# Altium PCB Tag_connect_stm32.PcbDoc
Units mm, origin at the board's own origin, x right, y up, seen from the top; angles counter-clockwise.
Board outline 24.8 x 70.3 mm, 2 copper layers (Top Layer, Bottom Layer); 5 components, 7 nets, 33 pads, 40 vias.
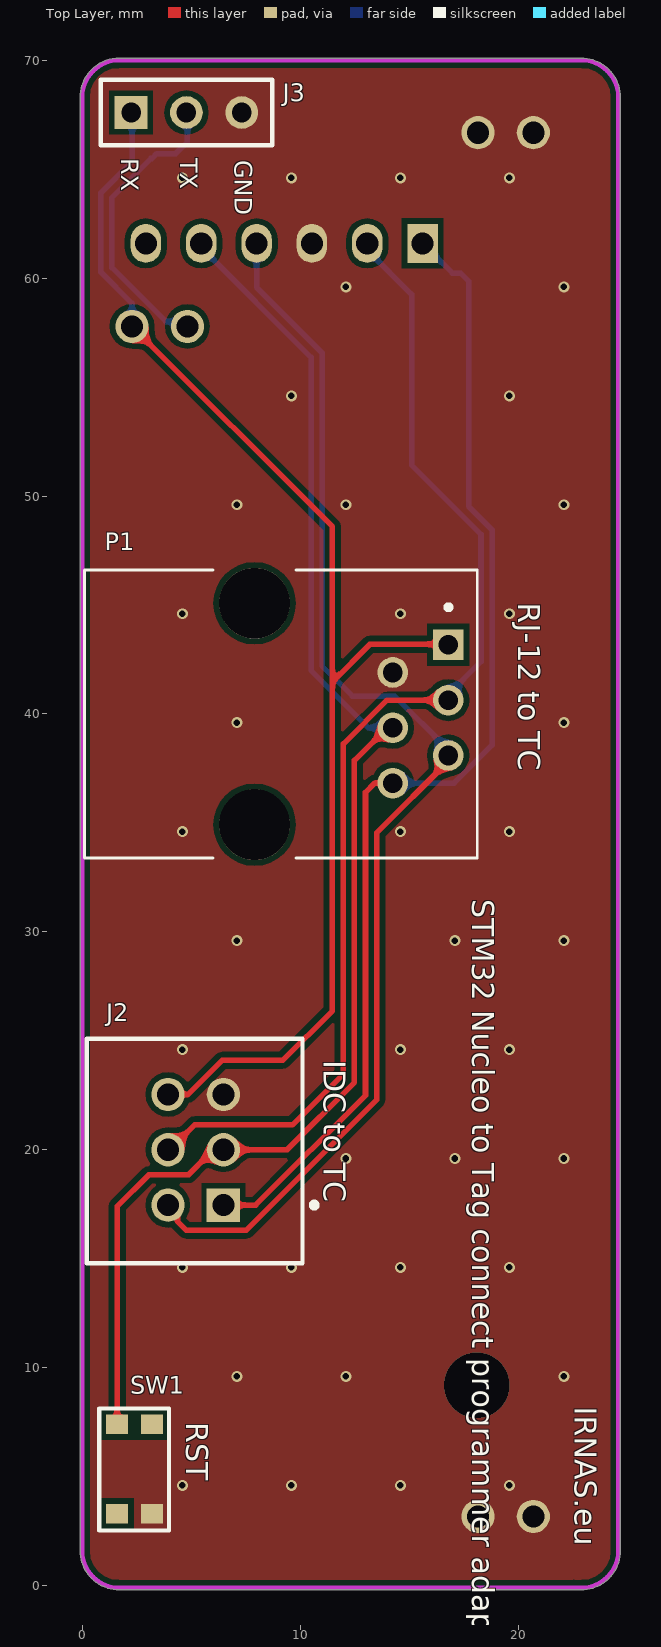
[diagram p0: Top Layer view]
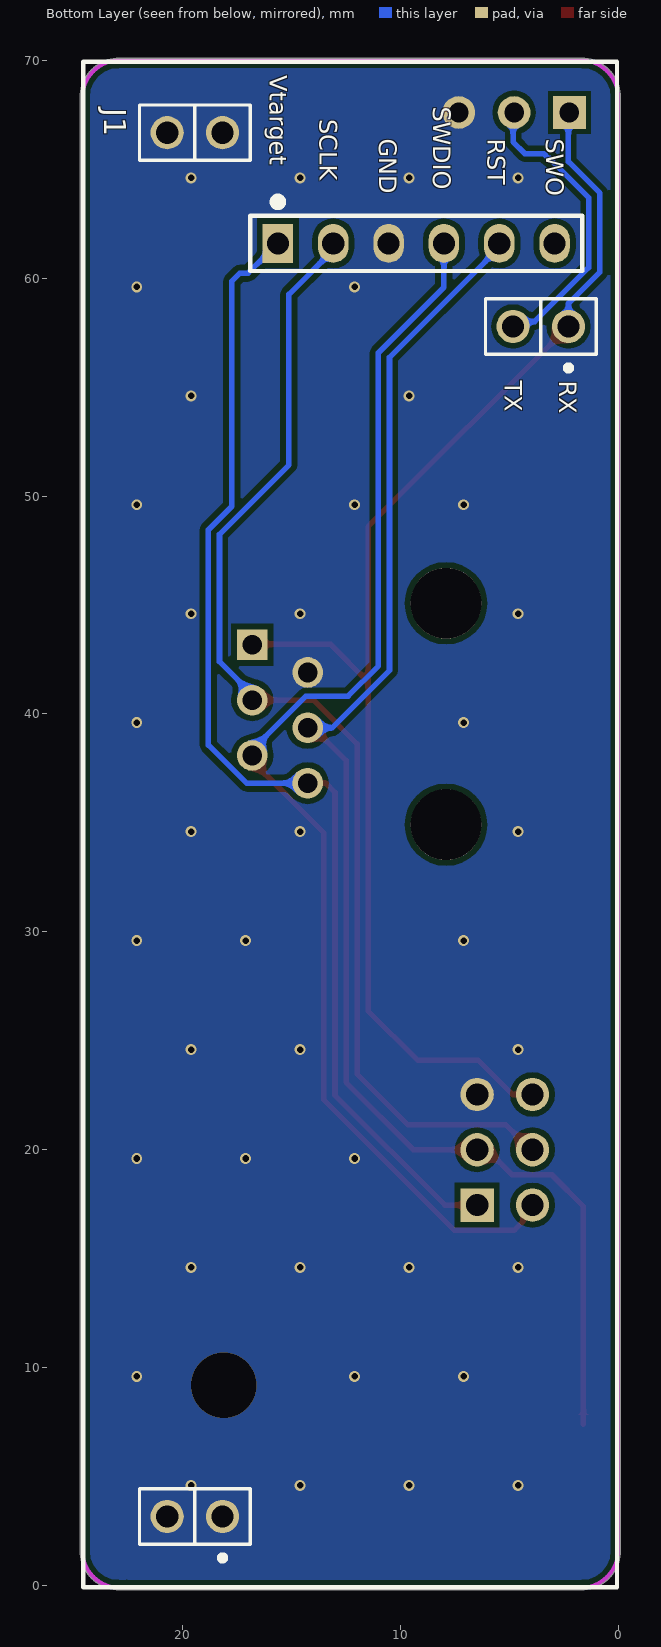
[diagram p1: Bottom Layer view, seen from below]

## Layer stack, top to bottom
Top Solder: solder mask 0.0102, Solder Resist, Dk 3.5
Top Layer: signal copper 0.0356
Dielectric 1: dielectric 0.32, FR-4, Dk 4.8
Bottom Layer: signal copper 0.0356
Bottom Solder: solder mask 0.0102, Solder Resist, Dk 3.5

## Board outline
0.429,0.329 cw(c1.707,1.607) -0.1,1.607 -0.1,68.293 cw(c1.707,68.293) 0.429,69.571 cw(c1.707,68.293) 1.706,70.1 cw(c1.707,70) 1.707,70.1 22.893,70.1 cw(c22.893,68.293) 24.171,69.571 cw(c22.893,68.293) 24.7,68.293 24.7,1.5 cw(c24.6,1.5) 24.695,1.468 cw(c22.893,1.607) 24.171,0.329 cw(c22.893,1.607) 22.893,-0.2 22.6,-0.2 1.707,-0.2 cw(c1.707,1.607)

## Design rules (kind name [scope] priority, off if disabled: settings)
Clearance [All] p1: gap=0.254 ignorepadtopadclearanceinfootprint=FALSE except(0: Arc-Hole Track-Hole SMDPad-Hole THPad-Hole Via-Hole Fill-Hole Poly-Hole Region-Hole Text-Hole)
PolygonConnect [All] p1: connectstyle=Direct reliefconductorwidth=0.254 reliefentries=4 polygonreliefangle="90 Angle" airgapwidth=0.254
RoutingVias [All] p1: holewidth=0.711 width=1.27 viastyle="Through Hole" minholewidth=0.711 minwidth=1.27 maxholewidth=0.711 maxwidth=1.27
SolderMaskExpansion [All] p1: expansion=0.102
Width [All] p1: maxlimit=0.254 minlimit=0.254 preferedwidth=0.254
30 further rules are at their usual default settings.

## Components (designator, comment, footprint, x,y, rotation, side; value= is the part's Value field where it differs from the comment)
J1 "STM Nucleo" "NUCLEO F4 HEADERS" 20.701,3.175 r90 bottom locked
J2 "IDC 6 pin" "IDC 6 pin" 5.207,20 r90 top locked
J3 "Jumper" JUMPER 2.242,67.6 r90 top
P1 "RJ12" RJ12 10.7,40 r270 top locked
SW1 "KMR211GLFS" Button 1.6,7.4 r270 top

## Footprints (in the part's own frame and the unit in brackets; to place one, negate y for a bottom-side part, rotate by r counter-clockwise, add the part's x,y. Pads: shape width x height; smd on the part's side, far side on the other; paste and mask are expansions set on the pad)
Button [mm]
  rect 0.9x1 smd: 1(0,0) 2(4.1,0) 3(4.1,1.6) 4(0,1.6)
  silkscreen extent -0.73,-0.82 4.87,2.38, body extent -0.25,-0.71 4.35,2.29, height 2.1
"IDC 6 pin" [mm]
  rect 1.53x1.53 hole 1.02: 1(-2.54,-1.27)
  round 1.53 hole 1.02: 2(-2.54,1.27) 3(0,-1.27) 4(0,1.27) 5(2.54,-1.27) 6(2.54,1.27)
  silkscreen extent -5.2,-5.54 5.1,5, body extent -5.03,-4.88 4.94,4.87, height 10.95
JUMPER [mm]
  rect 1.5x1.5 hole 0.9: 1(0,0)
  round 1.5 hole 0.9: 2(0,-2.54) 3(0,-5.08)
  silkscreen extent -1.5,-6.48 1.5,1.4, body extent -1.42,-6.35 1.5,1.27, height 8.51
"NUCLEO F4 HEADERS" [mil]
  round 60 hole 40: 1(0,0) 2(0,-100) 3(2150,-625) 4(2150,-725) 11(2500,0) 12(2500,-100)
  rect 70x55 hole 40: 5(2300,-200)
  oval 70x55 hole 40: 6(2300,-300) 7(2300,-400) 8(2300,-500) 9(2300,-600) 10(2300,-700)
  silkscreen extent -128,-813 2628,152, body extent -126,-819 2630,203, height 404
RJ12 [mm]
  rect 1.408x1.408 hole 0.9: 1(-3.175,6.096)
  round 1.408 hole 0.9: 2(-1.905,3.556) 3(-0.635,6.096) 4(0.635,3.556) 5(1.905,6.096) 6(3.175,3.556)
  round 3.25 hole 3.25 unplated: None(-5.08,-2.794) None(5.08,-2.794)
  silkscreen extent -6.61,-10.59 6.61,7.43, body extent -6.61,-10.57 6.6,7.53, height 11.75

## Part data
J2: library part 90130-1206, "Headers & Wire Housings 2.54MM CGRIDIII HDR 6P V DR SHRD AU-E", Color=Black, Contact Resistance=20mR, Current Rating=3A, Insulation Resistance=5GR, Manufacturer=Molex, Max Current Rating=3.9A, Max Operating Temperature=125°C, Max Voltage Rating (AC)=500V, Max Voltage Rating (DC)=350.35kV, Min Operating Temperature=-55°C, Package Quantity=2560, Supplier Part Number 1=9733884, Voltage Rating=350V, ComponentLink1Description=http://www.mouser.com/ds/2/276/0901301206_PCB_HEADERS-151694.pdf?src-supplier=Mouser, ComponentLink1URL=http://www.mouser.com/ds/2/276/0901301206_PCB_HEADERS-151694.pdf?src-supplier=Mouser, ComponentLink2Description=http://www.jameco.com/Jameco/Products/ProdDS/1978810.pdf?src-supplier=Jameco, ComponentLink2URL=http://www.jameco.com/Jameco/Products/ProdDS/1978810.pdf?src-supplier=Jameco, ComponentLink3Description=http://www.molex.com/webdocs/datasheets/pdf/en-us/0901301206_PCB_HEADERS.pdf?src-supplier=Avnet+Europe, ComponentLink3URL=http://www.molex.com/webdocs/datasheets/pdf/en-us/0901301206_PCB_HEADERS.pdf?src-supplier=Avnet+Europe, ComponentLink4Description=http://www.molex.com/webdocs/datasheets/pdf/en-us/0901301206_PCB_HEADERS.pdf?src-supplier=Avnet, ComponentLink4URL=http://www.molex.com/webdocs/datasheets/pdf/en-us/0901301206_PCB_HEADERS.pdf?src-supplier=Avnet, ComponentLink5Description=http://uk.rs-online.com/webdocs/13c4/0900766b813c4c7b.pdf?src-supplier=RSComponents, ComponentLink5URL=http://uk.rs-online.com/webdocs/13c4/0900766b813c4c7b.pdf?src-supplier=RSComponents, Contact Gender=Male, Contact Material=Brass,Bronze,Copper, Contact Plating=Gold, Depth=3.94mm, Gender=Male, Glow Wire Compliant=Non-compliant, Height=4.7mm, Housing Color=Black, Housing Material=Polyester, Lead Free="Lead Free", Lead Pitch=2.54mm, Length=8mm, Manufacturer Part Number=90130-1206, Material=Glass,Polyester, Mount="Through Hole", Number of Circuits=6, Number of Contacts=6, Number of Poles=6, Number of Positions=6, Number of Rows=2, Orientation=Vertical, Packaging=Tray, Pitch=2.54mm, Pricing 1="1=1.07, 50=1, 100=0.934, 250=0.84, 500=0.775, 1000=0.619 (EUR)", Radiation Hardening=No, REACH SVHC=Unknown, Row Spacing=2.54mm, Stock 1=1896, Supplier 1=Farnell, Termination=Solder, Voltage Rating (AC)=350V, Voltage Rating (DC)=350V, Working Voltage=350V
J3: "3 pin jumper"
P1: library part 95501-2661, "MODULAR, JACK, THT, R/A, RJ11, 6P6C", Color=Black, Current Rating=1.5A, Flammability Rating="UL94 V-0", Insulation Resistance=500MR, Manufacturer=Molex, Max Operating Temperature=80°C, Max Voltage Rating (DC)=125V, Min Operating Temperature=-40°C, Package Quantity=3276, Supplier Part Number 1=1536490, Approvals=UL, ComponentLink1Description=http://uk.rs-online.com/webdocs/13c4/0900766b813c4eac.pdf?src-supplier=RSComponents, ComponentLink1URL=http://uk.rs-online.com/webdocs/13c4/0900766b813c4eac.pdf?src-supplier=RSComponents, ComponentLink2Description=http://www.farnell.com/cad/1597654.pdf?src-supplier=Element14, ComponentLink2URL=http://www.farnell.com/cad/1597654.pdf?src-supplier=Element14, ComponentLink3Description=http://www.mouser.com/ds/2/276/0955012661_MODULAR_JACKS_PLUG-177638.pdf?src-supplier=Mouser, ComponentLink3URL=http://www.mouser.com/ds/2/276/0955012661_MODULAR_JACKS_PLUG-177638.pdf?src-supplier=Mouser, ComponentLink4Description=http://www.onlinecomponents.com/productFiles/mf-MOL/360890955012661_modular_jacks_plug.pdf?src-supplier=Onlinecomponents.com, ComponentLink4URL=http://www.onlinecomponents.com/productFiles/mf-MOL/360890955012661_modular_jacks_plug.pdf?src-supplier=Onlinecomponents.com, Contact Material="Copper Alloy,Bronze", Contact Plating=Gold, Depth=18.1mm, Gender=Female, Halogen Free="Low Halogen", Housing Material=Thermoplastic, Insulation Material=Polyester, Lead Free="Lead Free", Length=13.21mm, Manufacturer Part Number=95501-2661, Mount="Through Hole", Number of Contacts=6, Number of Ports=1, Number of Positions=6, Orientation="Right Angle", Packaging=Tray, Pitch=2.54mm, Pricing 1="10=0.565, 100=0.492, 500=0.443, 1000=0.394, 2500=0.356, 5000=0.344 (EUR)", REACH SVHC=Unknown, Shielding=Unshielded, Stock 1=7441, Supplier 1=Farnell, Termination="Through Hole", Voltage Rating (DC)=125V, Width=11.5mm
SW1: "SWITCH TACTILE SPST-NO 0.05A 32V", Contact Current Rating=50mA, Manufacturer="ITT C&K", Max Operating Temperature=85°C, Max Voltage Rating (DC)=32V, Min Operating Temperature=-40°C, Operating Force=1.2N, Package Quantity=1, Power Rating=1W, Supplier Part Number 1=1437635RL, Actuator Length=0.5mm, Actuator Type=Standard, ComponentLink1Description=http://uk.rs-online.com/webdocs/129c/0900766b8129c9f0.pdf?src-supplier=RSComponents, ComponentLink1URL=http://uk.rs-online.com/webdocs/129c/0900766b8129c9f0.pdf?src-supplier=RSComponents, ComponentLink2Description=http://www1.futureelectronics.com/doc/C%20-%20K%20COMPONENTS/KMR211GLFS.pdf?src-supplier=Future+Electronics, ComponentLink2URL=http://www1.futureelectronics.com/doc/C%20-%20K%20COMPONENTS/KMR211GLFS.pdf?src-supplier=Future+Electronics, ComponentLink3Description=http://www.farnell.com/datasheets/2044619.pdf?src-supplier=Element14, ComponentLink3URL=http://www.farnell.com/datasheets/2044619.pdf?src-supplier=Element14, ComponentLink4Description=http://www.ck-components.com/14414/kmr2_9aug12.pdf/?src-supplier=Avnet, ComponentLink4URL=http://www.ck-components.com/14414/kmr2_9aug12.pdf/?src-supplier=Avnet, ComponentLink5Description=http://www.ck-components.com/14414/kmr2_9aug12.pdf/?src-supplier=Avnet+Europe, ComponentLink5URL=http://www.ck-components.com/14414/kmr2_9aug12.pdf/?src-supplier=Avnet+Europe, ComponentLink6Description=https://www.ckswitches.com/media/1479/kmr2.pdf?src-supplier=Digi-Key, ComponentLink6URL=https://www.ckswitches.com/media/1479/kmr2.pdf?src-supplier=Digi-Key, ComponentLink7Description=http://www.ckswitches.com/media/1479/kmr2.pdf?src-supplier=Onlinecomponents.com, ComponentLink7URL=http://www.ckswitches.com/media/1479/kmr2.pdf?src-supplier=Onlinecomponents.com, Contact Material=Silver, Contact Plating=Silver, Current Rating=50mA, Depth=4.6mm, Illumination Type=Non-Illuminated,Illuminated, Lead Free="Lead Free", Length=2.8mm, Manufacturer Part Number=KMR211GLFS, Max Current Rating=50mA, Mechanical Life=200000Cycles, Mount="Surface Mount", Orientation=Straight, Packaging="Tape and Reel", Radiation Hardening=No, REACH SVHC="No SVHC", Stock 1=0, Supplier 1=Farnell, Switch Function=Off-Mom, Switch Travel=0.2mm, Termination="Gull Wing", Throw Configuration=SPST, Voltage Rating (DC)=32V, Width=2.8mm

## Via types
v1: diameter 0.5, hole 0.3, Top Layer to Bottom Layer, tented both sides, 39 vias
v2: diameter 3, hole 3, Top Layer to Bottom Layer, tented both sides, 1 vias

## Nets (pads, with @x,y where several pads share a name; then routed paths per layer and width w, separated by ;. In a path a pad name is that pad's centre, name@x,y a point inside that pad or via, vN(x,y) a via of type N, cw(c..) or ccw(c..) an arc to the next point about the centre after c; other vN are vias at no path point)
GND: J1.1 J1.2 J1.7 J1.11 J1.12 J2.5 J3.3 P1.2 SW1.3
  other v1: 4.6,4.6 9.6,4.6 14.6,4.6 19.6,4.6 7.1,9.6 12.1,9.6 22.1,9.6 4.6,14.6 9.6,14.6 14.6,14.6 19.6,14.6 12.1,19.6 17.1,19.6 22.1,19.6 4.6,24.6 14.6,24.6 19.6,24.6 7.1,29.6 17.1,29.6 22.1,29.6 4.6,34.6 14.6,34.6 19.6,34.6 7.1,39.6 22.1,39.6 4.6,44.6 14.6,44.6 19.6,44.6 7.1,49.6 12.1,49.6 22.1,49.6 9.6,54.6 19.6,54.6 12.1,59.6 22.1,59.6 4.6,64.6 9.6,64.6 14.6,64.6 19.6,64.6
  other v2: 18.1,9.2
RST: J1.9 J2.3 P1.4 SW1.1 | length 66.9
  Top Layer w0.254: SW1.1 1.6,17.4 3.054,18.854 4.878,18.854 5.797,19.773 6.25,19.773 J2.3 9.4,20 12.492,23.092 12.492,37.867 13.99,39.365 P1.4
  Bottom Layer w0.254: J1.9 5.461,61.404 10.5,56.366 10.5,42 13.135,39.365 P1.4
SCLK: J1.6 J2.4 P1.3 | length 54
  Top Layer w0.254: J2.4 4.013,20 5.159,21.146 9.646,21.146 11.984,23.484 11.984,38.627 13.992,40.635 P1.3
  Bottom Layer w0.254: J1.6 13.081,61.29 15.113,59.258 15.113,51.431 18.3,48.244 18.3,42.403 16.796,40.899 P1.3
SWDIO: J1.8 J2.2 P1.5 | length 59
  Top Layer w0.254: J2.2 4.377,17.9 4.377,16.7 4.763,16.314 7.532,16.314 13.508,22.29 13.508,34.543 16.796,37.831 P1.5
  Bottom Layer w0.254: J1.8 8.001,59.583 11.008,56.576 11.008,42.21 12.398,40.82 14.335,40.82 16.796,38.359 P1.5
UART_RX: J1.4 J2.6 J3.1 P1.1 | length 61.5
  Top Layer w0.254: J1.4 11.476,48.595 11.476,41.476 ; J2.6 4.856,22.54 6.416,24.1 9.2,24.1 11.476,26.376 11.476,41.476 ; P1.1@16.796,42.99 16.586,43.2 13.2,43.2 11.476,41.476
  Bottom Layer w0.254: J3.1 2.289,67.553 2.289,65.347 0.849,63.907 0.849,60.273 2.286,58.836 J1.4
UART_TX: J1.3 J3.2 | length 13.3
  Bottom Layer w0.254: J1.3 4.607,58.004 3.836,58.004 1.357,60.483 1.357,63.697 3.151,65.491 3.197,65.491 3.42,65.714 4.292,65.714 4.829,66.251 4.829,66.622 J3.2@4.829,67.2
Vtarget: J1.5 J2.1 P1.6 | length 53.8
  Top Layer w0.254: J2.1 7.96,17.46 13,22.5 13,36.4 13.425,36.825 P1.6
  Bottom Layer w0.254: P1.6 17.06,36.825 18.808,38.573 18.808,48.455 17.731,49.532 17.731,59.861 17.361,60.231 16.985,60.231 J1.5
pads on no net: J1.10 P1.None SW1.2 SW1.4

## Polygon pours and split planes (outlines as drawn)
GND on Top Layer "Top Layer-GND" (solid, pour order 2): 0.429,0.329 cw(c1.707,1.607) -0.1,1.607 -0.1,68.293 cw(c1.707,68.293) 0.429,69.571 cw(c1.707,68.293) 1.706,70.1 cw(c1.707,70) 1.707,70.1 22.893,70.1 cw(c22.893,68.293) 24.171,69.571 cw(c22.893,68.293) 24.7,68.293 24.7,1.5 cw(c24.6,1.5) 24.695,1.468 cw(c22.893,1.607) 24.171,0.329 cw(c22.893,1.607) 22.893,-0.2 22.6,-0.2 1.707,-0.2 cw(c1.707,1.607)
GND on Bottom Layer "Bottom Layer-GND" (solid, pour order 3): 0.429,0.329 cw(c1.707,1.607) -0.1,1.607 -0.1,68.293 cw(c1.707,68.293) 0.429,69.571 cw(c1.707,68.293) 1.706,70.1 cw(c1.707,70) 1.707,70.1 22.893,70.1 cw(c22.893,68.293) 24.171,69.571 cw(c22.893,68.293) 24.7,68.293 24.7,1.5 cw(c24.6,1.5) 24.695,1.468 cw(c22.893,1.607) 24.171,0.329 cw(c22.893,1.607) 22.893,-0.2 22.6,-0.2 1.707,-0.2 cw(c1.707,1.607)

## Keep-outs
Keep-Out Layer:
  lines w0.2: 24.6,1.5 24.6,68.293 ccw(c22.893,68.293) 24.1,69.5 ccw(c22.893,68.293) 22.893,70 1.707,70 ; 24.6,1.607 cw(c22.893,1.607) 24.1,0.4 cw(c22.893,1.607) 22.893,-0.1 22.6,-0.1 ; 1.707,70 ccw(c1.707,70) 1.707,70 ; 1.707,70 ccw(c1.707,68.293) 0.5,69.5 ccw(c1.707,68.293) 0,68.293 0,1.607 ccw(c1.707,1.607) 0.5,0.4 ccw(c1.707,1.607) 1.707,-0.1 22.6,-0.1 ; 22.6,-0.1 ccw(c22.6,-0.1) 22.6,-0.1

## Silkscreen, mask and mechanical layers (free items; w line width, h text height)
Top Overlay:
  text "RX" at 1.8,65.5 h0.8 r270
  text "TX" at 4.5,65.5 h0.8 r270
  text "GND" at 7,65.4 h0.8 r270
  text "RJ-12 to TC" at 20,45.1 h1 r270
  text "STM32 Nucleo to Tag connect programmer adapter" at 17.9,31.5 h1 r270
  text "IDC to TC" at 11.088,24.1 h1 r270
  text "IRNAS.eu" at 22.6,8.2 h1 r270
  text "RST" at 4.763,7.5 h1 r270
Bottom Overlay:
  text "Vtarget" at 16,69.3 h0.8 r90
  text "SWDIO" at 8.481,67.867 h0.8 r90
  text "SCLK" at 13.7,67.3 h0.8 r90
  text "SWO" at 3.3,66.401 h0.8 r90
  text "RST" at 5.981,66.401 h0.8 r90
  text "GND" at 10.981,66.401 h0.8 r90
  text "RX" at 2.7,55.3 h0.8 r90
  text "TX" at 5.2,55.3 h0.8 r90